# Altium PCB ai.PcbDoc (part 1 of 2)
Units mil, origin at the board's own origin, x right, y up, seen from the top; angles counter-clockwise.
Board outline 4965.93 x 2367.42 mil, 2 copper layers (Top Layer, Bottom Layer); 124 components, 111 nets, 499 pads, 173 vias.
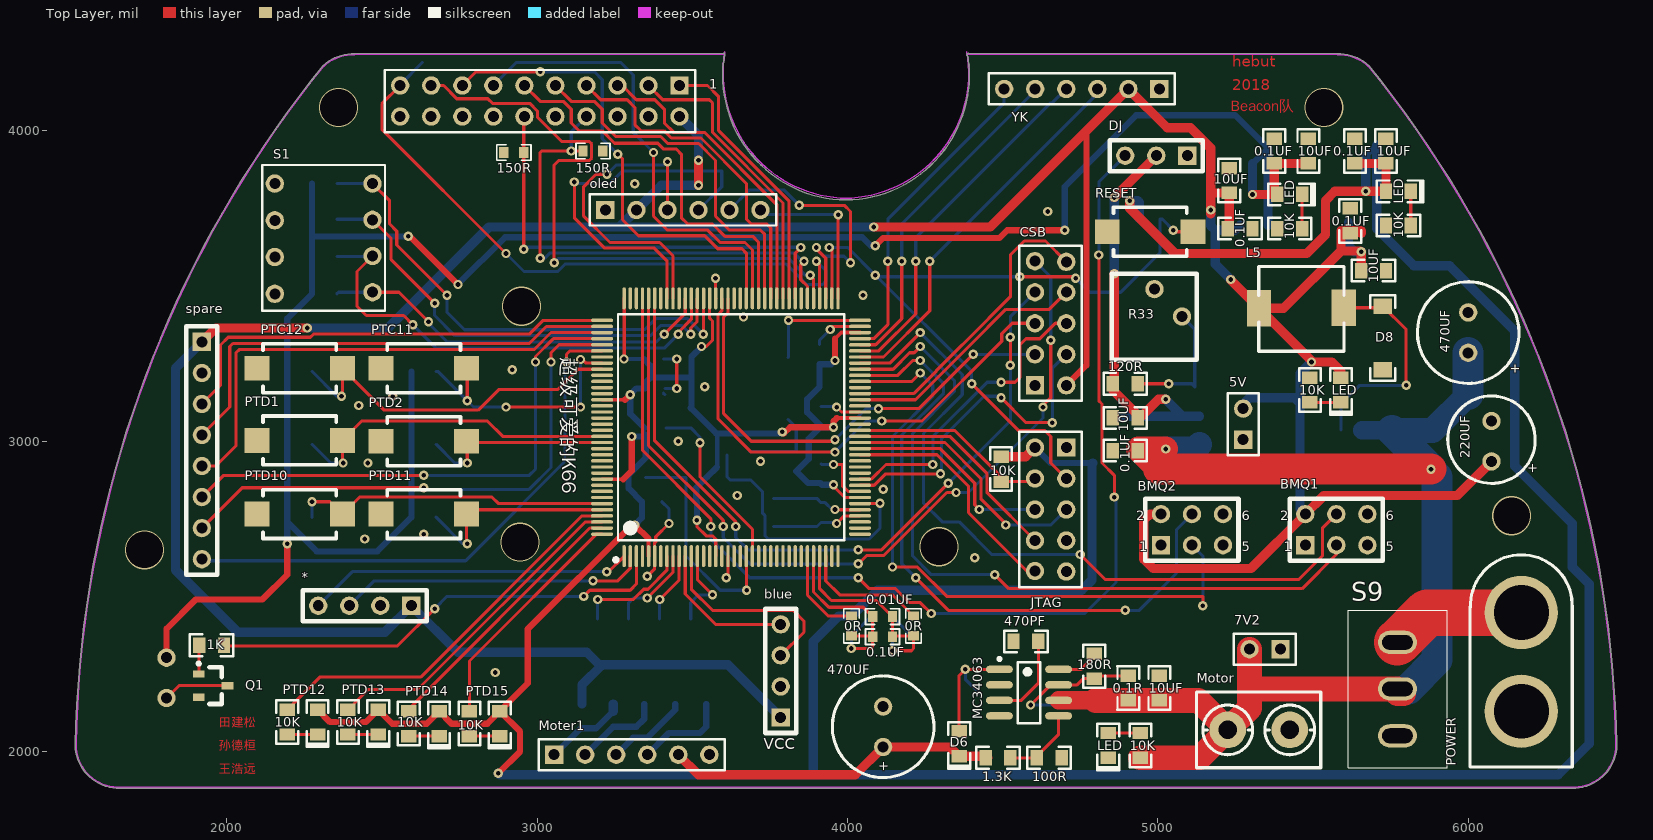
[diagram p0: Top Layer view]
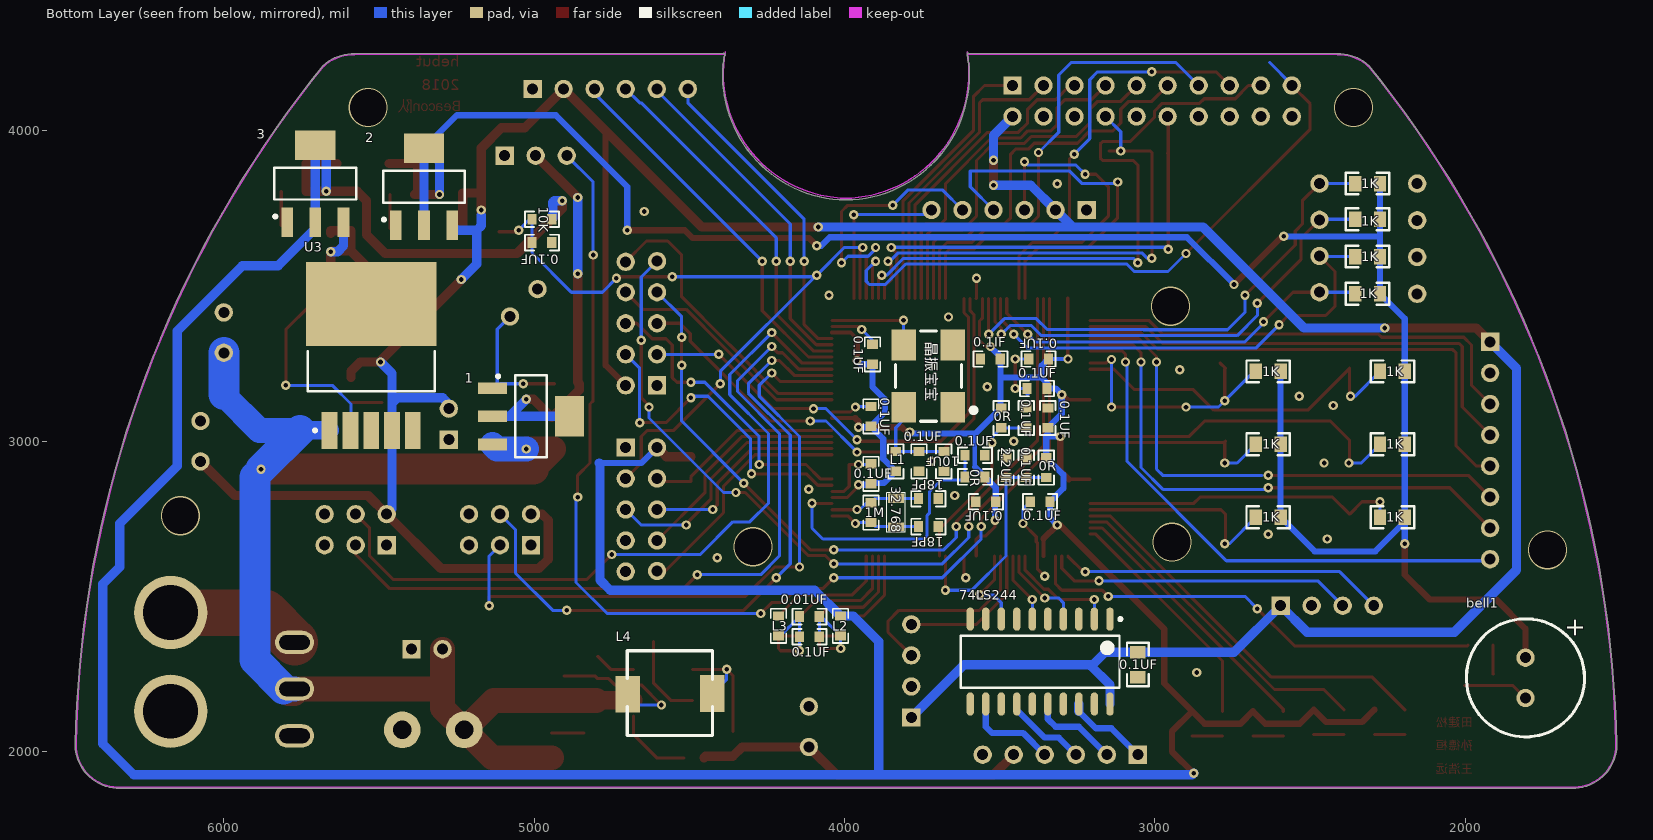
[diagram p1: Bottom Layer view, seen from below]

## Layer stack, top to bottom
Top Layer: signal copper 1.4
Dielectric: dielectric 12.6, FR-4, Dk 4.8
Bottom Layer: signal copper 1.4

## Board outline
1644.64,1882.51 1644.97,1882.51 ccw(c1652.53,2022.48) 1660.09,1882.51 3995.32,1882.48 6330.54,1882.51 ccw(c6338.1,2022.48) 6345.66,1882.51 6346,1882.51 ccw(c6346,1885.02) 6346.48,1882.55 ccw(c6338.1,2022.48) 6478.28,2021.92 ccw(c6475.77,2021.93) 6478.28,2021.93 ccw(c6475.77,2021.93) 6478.28,2021.97 ccw(c2903.04,1956.99) 5680.03,4209.74 ccw(c5677.81,4208.56) 5679.52,4210.41 ccw(c5583.46,4106.03) 5679.28,4210.62 ccw(c5583.46,4106.03) 5589.23,4247.77 ccw(c5589.08,4245.26) 5589.13,4247.77 ccw(c5589.08,4245.26) 5589.08,4247.77 5589.13,4247.77 ccw(c5583.46,4106.03) 5578.14,4247.78 4390.5,4249.24 ccw(c4389.02,4247.21) 4389.02,4249.72 ccw(c4389.02,4247.21) 4386.5,4247.15 4386.5,4246.72 ccw(c4389.02,4246.72) 4386.72,4245.69 cw(c3990.68,4178.89) 4392.32,4178.89 cw(c3990.68,4178.89) 3995.32,3777.28 ccw(c3999.95,4178.89) 3995.35,3777.28 3995.32,3777.28 cw(c3999.95,4178.89) 3603.91,4245.69 ccw(c3601.62,4246.72) 3604.13,4246.72 3604.13,4247.21 ccw(c3601.62,4247.21) 3601.62,4249.72 ccw(c3601.62,4247.21) 3600.13,4249.24 2412.49,4247.78 ccw(c2407.18,4106.03) 2401.5,4247.77 ccw(c2407.18,4106.03) 2401.4,4247.77 cw(c2401.55,4245.26) 2401.5,4247.77 cw(c2401.55,4245.26) 2401.55,4247.77 2401.4,4247.77 ccw(c2407.18,4106.03) 2311.35,4210.62 ccw(c2407.18,4106.03) 2311.11,4210.41 ccw(c2312.82,4208.56) 2310.6,4209.74 ccw(c5087.59,1956.99) 1512.35,2021.97 ccw(c1514.86,2021.93) 1512.35,2021.92 ccw(c1652.53,2022.48) 1644.16,1882.55 ccw(c1644.64,1885.02)

## Design rules (kind name [scope] priority, off if disabled: settings)
Clearance [All] p1: gap=8
ComponentClearance [All] p1: gap=0 collisioncheckmode=3 verticalgap=0 showdistances=FALSE
PolygonConnect [All] p1: connectstyle=Relief reliefconductorwidth=10 reliefentries=4 polygonreliefangle="90 Angle" airgapwidth=10
RoutingVias [All] p1: holewidth=15 width=30 viastyle="Through Hole" minholewidth=12 minwidth=24 maxholewidth=28 maxwidth=50
SolderMaskExpansion [All] p1: expansion=4
Width [All] p1: maxlimit=200 minlimit=10 preferedwidth=10 minimp=50.000000 maximp=50.000000 favimp=50.000000
27 further rules are at their usual default settings.

## Classes and differential pairs
component class ai: 1 2 3 * *1 *2 *3 bell1 BMQ1 BMQ2 C24 C29 C30 CON2 D1 D2 D3 D4 D5 D6 D7 D8 L1 L2 L3 L4 L5 Moter1 Q1 R33 S1 S2 S3 S4 S5 S6 S7 S8 S9 spare U1 U2 U3 Y1

## Components (designator, comment, footprint, x,y, rotation, side; value= is the part's Value field where it differs from the comment)
0.1IF "Cap" 0603 3530,3265 r0 bottom (schematic designator C6)
0.1R "0.22R" 0805 4905,2205 r270 top (schematic designator R27)
0.1UF "Cap" 0805 5620,3710 r270 top (schematic designator C37)
0.1UF "Cap" 0805 5265,3685 r180 top (schematic designator C34)
0.1UF "Cap Pol1" 0805 5635,3935 r90 top (schematic designator C32)
0.1UF "Cap Pol1" 0805 5375,3935 r90 top (schematic designator C31)
0.1UF "Cap" 0805 4895,2970 r0 top (schematic designator C28)
0.1UF "Cap" 0603 3910,3280 r90 bottom (schematic designator C23)
0.1UF "Cap" 0603 3375,3265 r0 bottom (schematic designator C22)
0.1UF "Cap" 0603 3380,3170 r0 bottom (schematic designator C21)
0.1UF "0.1uF" 0805 3055,2280 r90 bottom (schematic designator C20)
0.1UF "Cap" 0603 4975,3640 r0 bottom (schematic designator C19)
0.1UF "Cap" 0603 3915,3080 r90 bottom (schematic designator C18)
0.1UF "Cap" 0603 3580,2955 r0 bottom (schematic designator C15)
0.01UF "Cap" 0603 4113,2435 r180 bottom (schematic designator C14)
0.01UF "Cap" 0603 4113,2435 r180 top (schematic designator C13)
0.1UF "Cap" 0603 4113,2370 r180 bottom (schematic designator C12)
0.1UF "Cap" 0603 4113,2370 r180 top (schematic designator C11)
0.1UF "Cap" 0603 3915,2895 r90 bottom (schematic designator C10)
0.1UF "Cap" 0603 3415,2915 r270 bottom (schematic designator C9)
0.1UF "Cap" 0603 3415,3075 r270 bottom (schematic designator C8)
0.1UF "Cap" 0603 3545,2805 r180 bottom (schematic designator C5)
0.1UF "Cap" 0603 3370,2805 r180 bottom (schematic designator C4)
0.1UF "Cap" 0603 3345,3075 r90 bottom (schematic designator C3)
0.1UF "Cap" 0603 3760,2935 r90 bottom (schematic designator C2)
0R "Res2" 0603 4213,2405 r90 top (schematic designator R21)
0R "Res2" 0603 3580,2885 r0 bottom (schematic designator R19)
0R "Res2" 0603 4013,2405 r90 top (schematic designator R17)
0R "Res2" 0603 3495,3075 r270 bottom (schematic designator R14)
0R "Res2" 0603 3350,2915 r270 bottom (schematic designator R12)
1 "AMS1117-adj" lm1117-5v 5005,3085 r180 bottom
1.3K "1.3K" 0805 4485,1980 r180 top (schematic designator R29)
1K "Res2" 0805 1951.26,2342.6 r180 top (schematic designator R24)
1K "Res2" 0805 2635,3225 r180 bottom (schematic designator R11)
1K "Res2" 0805 2635,2990 r180 bottom (schematic designator R10)
1K "Res2" 0805 2635,2755 r180 bottom (schematic designator R9)
1K "Res2" 0805 2235,3225 r180 bottom (schematic designator R8)
1K "Res2" 0805 2235,2990 r180 bottom (schematic designator R7)
1K "Res2" 0805 2235,2755 r180 bottom (schematic designator R6)
1K "Res2" 0805 2315,3475 r0 bottom (schematic designator R4)
1K "Res2" 0805 2315,3595 r180 bottom (schematic designator R3)
1K "Res2" 0805 2315,3715 r180 bottom (schematic designator R2)
1K "Res2" 0805 2315,3830 r180 bottom (schematic designator R1)
1M "Res2" 0603 3915,2770 r270 bottom (schematic designator R22)
2 "AMS1117-3.3" lm1117-5v 5360,3825 r90 bottom
2.2UF "Cap" 0603 3480,2915 r270 bottom (schematic designator C7)
3 "AMS1117-3.3" lm1117-5v 5710,3835 r90 bottom
5V "H1" HDR1X2 5255,3025 r90 top (schematic designator DY2)
7V2 "H1" HDR1X2 5375,2310 r180 top (schematic designator DY1)
10K "Res2" 0805 5490,3165 r90 top (schematic designator R35)
10K "Res2" 0805 5425,3685 r180 top (schematic designator R34)
10K "Res2" 0805 4944,2020 r270 top (schematic designator R31)
10K "Res2" 0603 4975,3715 r0 bottom (schematic designator R25)
10K "Res2" 0805 2782.14,2090 r90 top (schematic designator R20)
10K "Res2" 0805 2586.43,2090 r90 top (schematic designator R18)
10K "Res2" 0805 2390.71,2095 r90 top (schematic designator R16)
10K "Res2" 0805 2195,2095 r90 top (schematic designator R15)
10K "Res2" 0805 5775,3695 r180 top (schematic designator R13)
10K "Res2" 0805 4495,2910 r90 top (schematic designator R5)
10UF "Cap" 0805 5735,3935 r270 top (schematic designator C38)
10UF "Cap" 0805 5695,3550 r180 top (schematic designator C36)
10UF "Cap" 0805 5485,3935 r270 top (schematic designator C35)
10UF "Cap" 0805 5230,3840 r270 top (schematic designator C33)
10UF "Cap" 0805 4895,3075 r0 top (schematic designator C27)
10UF "10uF" 0805 5005,2205 r90 top (schematic designator C26)
10UF "Cap" 0603 3680,2935 r90 bottom (schematic designator C1)
18PF "Cap" 0603 3730,2815 r0 bottom (schematic designator C17)
18PF "Cap" 0603 3730,2725 r0 bottom (schematic designator C16)
32.768 "XTAL" 32.768 3820,2825 r90 bottom (schematic designator Y1)
74LS244 "74LS244" 74ls244DA 3340,2370 r270 bottom (schematic designator U1)
100R "100R" 0805 4650,1980 r0 top (schematic designator R30)
120R "Res2" 0805 4895,3185 r180 top (schematic designator R32)
150R "Res2" 0603 2925,3930 r0 top (schematic designator R26)
150R "Res2" 0603 3180,3935 r0 top (schematic designator R23)
180R "180R" 0805 4795,2275 r270 top (schematic designator R28)
220UF "Cap Pol1" 220uf 6035,3025 r90 top (schematic designator C30)
470PF "470pF" 0805 4575,2355 r180 top (schematic designator C25)
470UF "Cap Pol1" 470uf 6015,3365 r90 top (schematic designator C29)
470UF "470uF" 470UF 4130,2095 r90 top (schematic designator C24)
* "6050" HDR1X4 2465,2450 r180 top
*1 "SXT" SXT 2960,4100 r180 top
bell1 "Bell" bezzer 1796.26,2342.6 r270 bottom
blue "blueteeth2" HDR1X4 3765,2240 r90 top (schematic designator blue?)
BMQ1 "encode_1" HDR2X3 5665,2690 r0 top
BMQ2 "encode_2" HDR2X3 5200,2690 r0 top
CSB "JTAG" HDR2X5 4614,3355 r90 top (schematic designator *8)
D6 "IN5819" 0805LED 4360,2025 r270 top
D8 "IN5824" 1N5824 5570,3395 r270 top
DJ "DJ" HDR1X3 4985,3900 r180 top (schematic designator *7)
JTAG "JTAG" HDR2X5 4695,2805 r270 top (schematic designator *4)
L1 "Inductor" 0603 3835,2935 r90 bottom
L2 "Inductor" 0603 4013,2405 r270 bottom
L3 "Inductor" 0603 4213,2405 r270 bottom
L4 "330uH" diangan 4400,2265 r180 bottom
L5 "Inductor" diangan 5300,3350 r180 top
LED "LED0" 0805LED 5590,3165 r270 top (schematic designator D10)
LED "LED0" 0805LED 5425,3795 r0 top (schematic designator D9)
LED "RED" 0805LED 4840,2020 r270 top (schematic designator D7)
LED "LED0" 0805LED 5775,3805 r0 top (schematic designator D1)
MC34063 "MC34063" MC34063 4585,2190 r0 top (schematic designator U2)
Moter1 "Motor" HDR1X6 3055,1990 r0 top
Motor "PoweIn" KF301-2P 5325,2070 r270 top (schematic designator CON2)
oled "OLED" HDR1X6 3220,3745 r0 top (schematic designator oled1)
POWER "PowerIn" DIZUO 6160,2270 r0 top (schematic designator CON1)
PTC11 "SW-PB" BUTTON 2675,3255 r0 top (schematic designator S7)
PTC12 "SW-PB" BUTTON 2275,3255 r0 top (schematic designator S4)
PTD1 "SW-PB" BUTTON 2275,3022.5 r0 top (schematic designator S3)
PTD2 "SW-PB" BUTTON 2675,3020 r0 top (schematic designator S6)
PTD10 "SW-PB" BUTTON 2275,2785 r0 top (schematic designator S2)
PTD11 "SW-PB" BUTTON 2675,2785 r0 top (schematic designator S5)
PTD12 "LED0" 0805LED 2292.86,2095 r270 top (schematic designator D2)
PTD13 "LED0" 0805LED 2488.57,2095 r270 top (schematic designator D3)
PTD14 "LED0" 0805LED 2684.29,2090 r270 top (schematic designator D4)
PTD15 "LED0" 0805LED 2880,2090 r270 top (schematic designator D5)
Q1 "NPN9013" npn9013 1951.26,2222.6 r0 top
R33 "Res2" 1*2 5020,3435 r270 top
RESET "SW-PB" BUTTON 5015,3695 r0 top (schematic designator S8)
S1 "SW-DIP4" BMKG 1815,3765 r270 top
S9 "zk" SWITCH-MID 5650,1970 r90 top
spare "JG" HDR1X8 1960,2885 r270 top (schematic designator *9)
U3 "LM2596-5" LM2596 5515,3275 r90 bottom
YK "YK" HDR1X6 5005,4135 r180 top (schematic designator *5)
晶振宝宝 "晶振" LC-SMD-7050_4P 3730,3210 r90 bottom (schematic designator *3)
超级可爱的K66 "K66" LC-LQFP-144_20x20x05P 3625,3045 r0 top (schematic designator *2)

## Footprints (in the part's own frame and the unit in brackets; to place one, negate y for a bottom-side part, rotate by r counter-clockwise, add the part's x,y. Pads: shape width x height; smd on the part's side, far side on the other; paste and mask are expansions set on the pad)
1*2 [mm]
  round 1.5 hole 0.9: 1(-1.397,-0.787) 2(0.838,1.473)
  silkscreen extent -2.67,-4.29 4.37,2.67
1N5824 [mil]
  rect 50x60 smd: 1(-40,155) 2(165,155)
  silkscreen extent -75,115 200,195
32.768 [mil]
  rect 29.53x51.18 smd: 1(-101,14) 2(-9,14)
  silkscreen extent -119,-16 9,44
74ls244DA [mm]
  oval 1.9x0.6 smd: 1(-1.443,4.953) 2(-1.443,3.683) 3(-1.443,2.413) 4(-1.443,1.143) 5(-1.443,-0.127) 6(-1.443,-1.397) 7(-1.443,-2.667) 8(-1.443,-3.937) 9(-1.443,-5.207) 10(-1.443,-6.477) 11(5.507,-6.477) 12(5.507,-5.207) 13(5.507,-3.937) 14(5.507,-2.667) 15(5.507,-1.397) 16(5.507,-0.127) 17(5.507,1.143) 18(5.507,2.413) 19(5.507,3.683) 20(5.507,4.953)
  silkscreen extent -1.57,-7.26 4.16,5.93, body extent -0.77,-7.26 4.83,5.74, height 2.2
220uf [mm]
  round 1.5 hole 0.9: 1(-2.286,-1.016) 2(1.016,-1.016)
  silkscreen extent -4.08,-4.59 3.07,2.56
470uf [mm]
  round 1.5 hole 0.9: 1(-2.032,0.381) 2(1.27,0.381)
  silkscreen extent -4.54,-3.78 3.78,4.54
470UF [mm]
  round 1.5 hole 0.9: 1(-2.032,0.381) 2(1.27,0.381)
  silkscreen extent -4.54,-3.78 3.78,4.54
0603 [mil]
  rect 30x35 smd: 1(-32,0) 2(32,0)
  silkscreen extent -55,-25 55,25
0805 [mil]
  rect 40x50 smd: 1(-40,0) 2(40,0)
  silkscreen extent -70,-35 70,35
0805LED [mil]
  rect 40x50 smd: 1(-40,0) 2(40,0)
  silkscreen extent -70,-35 80,35
bezzer [mm]
  round 1.5 hole 0.9: 1(1.016,-0.254) 2(4.318,-0.254)
  silkscreen extent -2.16,-5.08 7.5,4.58
BMKG [mm]
  round 1.5 hole 0.9: 1(-1.651,8.636) 2(1.355,8.636) 3(4.36,8.636) 4(7.366,8.636) 5(7.239,16.637) 6(4.276,16.637) 7(1.312,16.637) 8(-1.651,16.637)
  silkscreen extent -3.18,7.62 8.76,17.65
BUTTON [mil]
  rect 80x80 smd: 1(-177.8,-20) 2(97.8,-20)
  silkscreen extent -158,-99 78,59
diangan [mil]
  rect 78.74x118.11 smd: 1(-299,-80) 2(-26,-78)
  silkscreen extent -300,-213 -25,60
DIZUO [mm]
  round 6 hole 4.5: 1(0.279,4.521) 2(0.279,-3.556)
  silkscreen extent -3.91,-8.13 4.45,9.25
HDR1X2 [mm]
  rect 1.5x1.5 hole 0.9: 1(-0.508,-0.508)
  round 1.5 hole 0.9: 2(2.032,-0.508)
  silkscreen extent -1.78,-1.78 3.3,0.76
HDR1X3 [mm]
  rect 1.5x1.5 hole 0.9: 1(-2.794,-0.508)
  round 1.5 hole 0.9: 2(-0.254,-0.508) 3(2.286,-0.508)
  silkscreen extent -4.06,-1.78 3.56,0.76
HDR1X4 [mm]
  rect 1.5x1.5 hole 0.9: 1(-3.302,-0.508)
  round 1.5 hole 0.9: 2(-0.762,-0.508) 3(1.778,-0.508) 4(4.318,-0.508)
  silkscreen extent -4.57,-1.78 5.59,0.76
HDR1X6 [mm] "Connector; Header; 6 Position"
  rect 1.5x1.5 hole 0.9: 1(0,0)
  round 1.5 hole 0.9: 2(2.54,0) 3(5.08,0) 4(7.62,0) 5(10.16,0) 6(12.7,0)
  silkscreen extent -1.27,-1.27 13.97,1.27
HDR1X8 [mm]
  rect 1.5x1.5 hole 0.9: 1(-11.049,-1.016)
  round 1.5 hole 0.9: 2(-8.509,-1.016) 3(-5.969,-1.016) 4(-3.429,-1.016) 5(-0.889,-1.016) 6(1.651,-1.016) 7(4.191,-1.016) 8(6.731,-1.016)
  silkscreen extent -12.32,-2.29 8,0.25
HDR2X3 [mm]
  rect 1.5x1.5 hole 0.9: 1(-4.826,-0.635)
  round 1.5 hole 0.9: 2(-4.826,1.905) 3(-2.286,-0.635) 4(-2.286,1.905) 5(0.254,-0.635) 6(0.254,1.905)
  silkscreen extent -6.1,-1.91 1.52,3.17
HDR2X5 [mm]
  rect 1.5x1.5 hole 0.9: 1(-4.445,0.254)
  round 1.5 hole 0.9: 2(-1.905,0.254) 3(0.635,0.254) 4(3.175,0.254) 5(5.715,0.254) 6(5.664,-2.311) 7(3.175,-2.311) 8(0.635,-2.311) 9(-1.905,-2.311) 10(-4.445,-2.311)
  silkscreen extent -5.71,-3.58 6.98,1.52
KF301-2P [mm]
  round 3 hole 1.5: 1(0,-2.54) 2(0,2.54)
  silkscreen extent -3.1,-5.08 3.1,5.08
LC-LQFP-144_20x20x05P [mm]
  oval 0.28x1.8 smd mask+0.051: 1(-8.75,-10.55) 2(-8.25,-10.55) 3(-7.75,-10.55) 4(-7.25,-10.55) 5(-6.75,-10.55) 6(-6.25,-10.55) 7(-5.75,-10.55) 8(-5.25,-10.55) 9(-4.75,-10.55) 10(-4.25,-10.55) 11(-3.75,-10.55) 12(-3.25,-10.55) 13(-2.75,-10.55) 14(-2.25,-10.55) 15(-1.75,-10.55) 16(-1.25,-10.55) 17(-0.75,-10.55) 18(-0.25,-10.55) 19(0.25,-10.55) 20(0.75,-10.55) 21(1.25,-10.55) 22(1.75,-10.55) 23(2.25,-10.55) 24(2.75,-10.55) 25(3.25,-10.55) 26(3.75,-10.55) 27(4.25,-10.55) 28(4.75,-10.55) 29(5.25,-10.55) 30(5.75,-10.55) 31(6.25,-10.55) 32(6.75,-10.55) 33(7.25,-10.55) 34(7.75,-10.55) 35(8.25,-10.55) 36(8.75,-10.55) 73(8.75,10.55) 74(8.25,10.55) 75(7.75,10.55) 76(7.25,10.55) 77(6.75,10.55) 78(6.25,10.55) 79(5.75,10.55) 80(5.25,10.55) 81(4.75,10.55) 82(4.25,10.55) 83(3.75,10.55) 84(3.25,10.55) 85(2.75,10.55) 86(2.25,10.55) 87(1.75,10.55) 88(1.25,10.55) 89(0.75,10.55) 90(0.25,10.55) 91(-0.25,10.55) 92(-0.75,10.55) 93(-1.25,10.55) 94(-1.75,10.55) 95(-2.25,10.55) 96(-2.75,10.55) 97(-3.25,10.55) 98(-3.75,10.55) 99(-4.25,10.55) 100(-4.75,10.55) 101(-5.25,10.55) 102(-5.75,10.55) 103(-6.25,10.55) 104(-6.75,10.55) 105(-7.25,10.55) 106(-7.75,10.55) 107(-8.25,10.55) 108(-8.75,10.55)
  oval 1.8x0.28 smd mask+0.051: 37(10.55,-8.75) 38(10.55,-8.25) 39(10.55,-7.75) 40(10.55,-7.25) 41(10.55,-6.75) 42(10.55,-6.25) 43(10.55,-5.75) 44(10.55,-5.25) 45(10.55,-4.75) 46(10.55,-4.25) 47(10.55,-3.75) 48(10.55,-3.25) 49(10.55,-2.75) 50(10.55,-2.25) 51(10.55,-1.75) 52(10.55,-1.25) 53(10.55,-0.75) 54(10.55,-0.25) 55(10.55,0.25) 56(10.55,0.75) 57(10.55,1.25) 58(10.55,1.75) 59(10.55,2.25) 60(10.55,2.75) 61(10.55,3.25) 62(10.55,3.75) 63(10.55,4.25) 64(10.55,4.75) 65(10.55,5.25) 66(10.55,5.75) 67(10.55,6.25) 68(10.55,6.75) 69(10.55,7.25) 70(10.55,7.75) 71(10.55,8.25) 72(10.55,8.75) 109(-10.55,8.75) 110(-10.55,8.25) 111(-10.55,7.75) 112(-10.55,7.25) 113(-10.55,6.75) 114(-10.55,6.25) 115(-10.55,5.75) 116(-10.55,5.25) 117(-10.55,4.75) 118(-10.55,4.25) 119(-10.55,3.75) 120(-10.55,3.25) 121(-10.55,2.75) 122(-10.55,2.25) 123(-10.55,1.75) 124(-10.55,1.25) 125(-10.55,0.75) 126(-10.55,0.25) 127(-10.55,-0.25) 128(-10.55,-0.75) 129(-10.55,-1.25) 130(-10.55,-1.75) 131(-10.55,-2.25) 132(-10.55,-2.75) 133(-10.55,-3.25) 134(-10.55,-3.75) 135(-10.55,-4.25) 136(-10.55,-4.75) 137(-10.55,-5.25) 138(-10.55,-5.75) 139(-10.55,-6.25) 140(-10.55,-6.75) 141(-10.55,-7.25) 142(-10.55,-7.75) 143(-10.55,-8.25) 144(-10.55,-8.75)
  silkscreen extent -9.57,-11 9.25,9.25
LC-SMD-7050_4P [mm]
  rect 2.5x2 smd: 1(-2.54,-2) 2(2.54,-2) 3(2.54,2) 4(-2.54,2)
  silkscreen extent -3.7,-3.9 3.7,2.7
lm1117-5v [mm]
  rect 2.4x0.95 smd: 1(-3.277,2.173) 2(-3.277,-0.127) 3(-3.277,-2.427)
  rect 2.4x3.3 smd: 2(3.023,-0.127)
  silkscreen extent -2.95,-3.48 1.17,3.28, body extent -1.63,-3.48 1.37,3.22, height 1.8
LM2596 [mm]
  rect 3.05x1.3 smd: 1(-6.1,3.654) 2(-6.1,1.954) 3(-6.1,0.254) 4(-6.1,-1.446) 5(-6.1,-3.146)
  rect 6.9x10.65 smd: 6(4.25,0.254)
  silkscreen extent -6.22,-4.95 0.4,5.45
MC34063 [mm] "SOIC, 8-Leads, Body 4.90x3.90mm, Pitch 1.27mm, IPC Medium Density"
  oval 2.2x0.6 smd: 1(-2.425,1.905) 2(-2.425,0.635) 3(-2.425,-0.635) 4(-2.425,-1.905) 5(2.425,-1.905) 6(2.425,-0.635) 7(2.425,0.635) 8(2.425,1.905)
  silkscreen extent -2.55,-2.5 0.93,2.88, body extent -2,-2.5 2,2.5, height 1.5
npn9013 [mm]
  rect 0.95x0.6 smd: 1(-1.048,-1.204) 2(-1.048,0.696) 3(1.302,-0.254)
  silkscreen extent -1.17,-1.75 0.83,1.67, body extent -0.57,-1.75 0.83,1.25, height 1.1
SWITCH-MID [mm]
  oval 1.9x3.2 hole 1.2 slot 2.5 at 90 deg: 1(9.703,-3.099) 2(5.893,-3.099) ""(2.057,-3.099)
  silkscreen extent -0.56,-7.16 12.34,0.94
SXT [mm]
  rect 1.5x1.5 hole 0.9: 1(-12.675,-1.168)
  round 1.5 hole 0.9: 2(-10.135,-1.168) 3(-7.595,-1.168) 4(-5.055,-1.168) 5(-2.515,-1.168) 6(0.025,-1.168) 7(2.565,-1.168) 8(5.105,-1.168) 9(7.645,-1.168) 10(10.185,-1.168) 11(10.185,1.372) 12(7.645,1.372) 13(5.105,1.372) 14(2.565,1.372) 15(0.025,1.372) 16(-2.515,1.372) 17(-5.055,1.372) 18(-7.595,1.372) 19(-10.135,1.372) 20(-12.675,1.372)
  silkscreen extent -13.94,-2.44 11.46,2.64

## Part data
0.1IF 0.1UF 0.1UF 0.1UF 0.1UF 0.1UF 0.1UF 0.1UF 0.1UF 0.1UF 0.01UF 0.01UF 0.1UF 0.1UF 0.1UF 0.1UF 0.1UF 0.1UF 0.1UF 0.1UF 0.1UF 2.2UF 10UF 10UF 10UF 10UF 10UF 10UF 18PF 18PF: "Capacitor"
0.1R 1.3K 100R 180R: library part Res2, "Resistor"
0.1UF 0.1UF 220UF 470UF: "Polarized Capacitor (Radial)"
0.1UF 470PF: library part "Cap Semi", "Capacitor (Semiconductor SIM Model)"
0R 0R 0R 0R 0R 1K 1K 1K 1K 1K 1K 1K 1K 1K 1K 1K 1M 10K 10K 10K 10K 10K 10K 10K 10K 10K 10K 120R 150R 150R R33: "Resistor"
1 2 3: library part LT1117-3.3
10UF 470UF: library part "Cap Pol3", "Polarized Capacitor (Surface Mount)"
32.768: "Crystal Oscillator"
*1: library part 摄像头
bell1: "Electrical Bell"
blue: library part blueteeth
BMQ1 BMQ2: library part encode
D6: library part Diode, "Default Diode"
DJ: library part 舵机
L4: library part Inductor, "Inductor"
LED LED LED PTD12 PTD13 PTD14 PTD15: "Typical INFRARED GaAs LED"
LED: library part LED2, "Typical RED, GREEN, YELLOW, AMBER GaAs LED"
Motor POWER: library part "Header 2", "Header, 2-Pin"
PTC11 PTC12 PTD1 PTD2 PTD10 PTD11: "Switch"
Q1: library part 2N3904, "NPN General Purpose Amplifier"
RESET: "按键"
S1: "DIP Switch"
S9: library part SW-SPST, "Single-Pole, Single-Throw Switch"
spare: library part 激光
U3: library part LM2596
YK: library part 遥控

## Via types
v1: diameter 30, hole 15, Top Layer to Bottom Layer, 166 vias
v2: diameter 125.98, hole 118.11, Top Layer to Bottom Layer, 7 vias

## Nets (pads, with @x,y where several pads share a name; then routed paths per layer and width w, separated by ;. In a path a pad name is that pad's centre, name@x,y a point inside that pad or via, vN(x,y) a via of type N, cw(c..) or ccw(c..) an arc to the next point about the centre after c; other vN are vias at no path point)
3V3-1: 0.1IF.1 0.1UF.1@3343,3265 0.1UF.1@3345,3043 0.1UF.1@3348,3170 0.1UF.1@3910,3248 0.1UF.1@3915,2863 0.1UF.1@3915,3048 0.1UF.1@5635,3895 0.1UF.2@3338,2805 0.1UF.2@3513,2805 0R.1@3350,2947 0R.1@3495,3107 0R.1@3548,2885 3.2 10K.1@4943,3715 10K.2@4495,2950 10UF.2@5735,3895 JTAG.10 L1.1 L2.1 LED.1@5735,3805 PTD12.1 PTD13.1 PTD14.1 PTD15.1 超级可爱的K66.5 超级可爱的K66.16 超级可爱的K66.43 超级可爱的K66.56 超级可爱的K66.70 超级可爱的K66.94 超级可爱的K66.108 超级可爱的K66.122 超级可爱的K66.135 | length 15037.3
  Top Layer w10: v1(3515,2745) 3515,2725 3545,2695 3565,2695 3575.79,2684.21 超级可爱的K66.16@3575.79,2629.65 ; v1(3530,3305) 3545,3305 3565,3325 3565,3387.2 3556.1,3396.1 超级可爱的K66.94@3556.1,3460.35 ; v1(3955,2860) 3955,2855 3991.38,2818.62 超级可爱的K66.43@4040.35,2818.62
  Top Layer w12: 超级可爱的K66.135@3209.65,2877.68 3277.68,2877.68 ; 超级可爱的K66.122@3209.65,3133.58 3283.58,3133.58 ; v1(3280,3265) 3280.51,3265.51 超级可爱的K66.108@3280.51,3460.35 ; 超级可爱的K66.5@3359.25,2629.65 3359.25,2685.75 ; 3960,3330 3980.12,3350.12 超级可爱的K66.70@4040.35,3350.12 ; 3965.47,3074.53 超级可爱的K66.56@4040.35,3074.53
  Top Layer w20: PTD12.1@2292.86,2135 2332.86,2095 2448.57,2095 PTD13.1@2488.57,2135 2533.57,2090 2644.29,2090 PTD14.1@2684.29,2130 2724.29,2090 2840,2090 PTD15.1@2880,2130 ; v1(2875,1930) 2945,2000 2945,2065 PTD15.1@2880,2130 ; 3277.68,2877.68 3305,2905 v1(3305,3015) ; 3283.58,3133.58 v1(3300,3150) ; 3359.25,2685.75 v1(3315,2730) 3305,2730 2970,2395 2970,2220 PTD15.1@2880,2130 ; v1@3795,3025 3815,3045 v1(3955,3045) 3955,3064.06 3965.47,3074.53 ; 3960,3275 3960,3330
  Top Layer w30: 10K.2@4495,2950 4574,2950 JTAG.10@4604,2980 ; v1(4910,3775) 4910,3750 5055,3605 5480,3605 5540,3665 5540,3775 5570,3805 v1(5670,3805) LED.1@5735,3805 10UF.2@5735,3895 0.1UF.1@5635,3895
  Bottom Layer w12: v1(3280,3265) 0.1UF.1@3343,3265
  Bottom Layer w15: 3577,3025 3580,3022 3580,2917
  Bottom Layer w20: v1(3305,3015) 3337,3015 3345,3023 3350,3018 0R.1@3350,2947 3295,2892 3295,2848 0.1UF.2@3338,2805 3338,2753 v1(3315,2730) ; 0.1UF.1@3343,3265 3365,3243 3365,3205 ; 0.1UF.1@3345,3043 3300,3088 v1(3300,3150) 3320,3170 0.1UF.1@3348,3170 3348,3188 3365,3205 ; 0R.1@3495,3107 0R.1@3498,3104 ; 3515,2760 3515,2803 0.1UF.2@3513,2805 3513,2850 0R.1@3548,2885 3580,2917 ; v1(3530,3305) 3498,3273 0.1IF.1@3498,3265 3498,3205 ; v1@3795,3025 3577,3025 0R.1@3498,3104 ; v1(3955,2860) 3918,2860 0.1UF.1@3915,2863 3913,2865 3873,2865 L1.1@3835,2903 3875,2943 3875,3008 0.1UF.1@3915,3048 ; v1(3955,3045) 3918,3045 0.1UF.1@3915,3048 ; v1(3960,3260) 3948,3248 0.1UF.1@3910,3248 3910,3175 3870,3135 3870,3093 0.1UF.1@3915,3048 ; JTAG.10@4604,2980 4654,2930 4790,2930 ; 3.2@5670,3919.02 3.2@5705,3954.02 ; 3365,3205 3365.5,3205.5 3434.46,3205.5 3434.96,3205 3498,3205 ; 0R.1@3498,3104 3498,3205
  Bottom Layer w30: v1(2875,1930) 2880,1925 3890,1925 ; 4790,2930 4788,2928 4788,2553 4755,2520 4096,2520 L2.1@4013,2437 3972,2437 3890,2355 3890,1925 ; v1(4910,3775) 4935,3775 4940,3770 10K.1@4940,3718 ; v1(5670,3805) 3.2@5670,3919.02 ; 3.2@5705,3954.02 3.2@5705,3705.98 5705,3685 5825,3565 5940,3565 6150,3355 6150,2920 6335,2735 6335,2595 6390,2540 6390,2025 6290,1925 3890,1925
  other v1: 3790,3030
3V3-3: 0.1UF.1@5375,3895 1K.1@2275,3475 1K.2@2195,2755 1K.2@2195,2990 1K.2@2195,3225 1K.2@2275,3595 1K.2@2275,3715 1K.2@2275,3830 1K.2@2595,2755 1K.2@2595,2990 1K.2@2595,3225 2.2 10UF.2@5485,3895 bell1.1 LED.1@5385,3795 | length 7013.5
  Top Layer w20: bell1.1@1806.26,2302.6 1806.26,2396.26 1900,2490 2115,2490 2195,2570 v1(2195,2670) ; v1(2585,3660) 2590,3660 v1(2745,3505) ; v1(4090,3630) 4115,3655 4490,3655 4515,3680 v1(4700,3680) ; 0.1UF.1@5375,3884.67 0.1UF.1@5385.33,3895
  Top Layer w30: v1(5305,3795) LED.1@5385,3795 5375,3805 0.1UF.1@5375,3884.67 ; 0.1UF.1@5385.33,3895 10UF.2@5467,3895
  Bottom Layer w20: v1@2195,2665 v1(2195,2670) 1K.2@2195,2740 ; 1K.2@2275,3830 1K.2@2275,3715 2275,3660 ; v1(2585,3660) 2275,3660 ; 1K.2@2595,3225 1K.2@2595,2990 1K.2@2595,2755 2485,2645 2290,2645 1K.2@2195,2740 ; v1(2745,3505) 2897,3657 4048,3657 4075,3630 v1(4090,3630) ; v1(4700,3680) 4700,3820 4930,4050 5249.02,4050 2.2@5355,3944.02 5305,3894.02 ; 1K.2@2195,2740 1K.2@2195,2755 1K.2@2195,2990 1K.2@2195,3225 2195,3395 1K.1@2275,3475 1K.2@2275,3595 2275,3660
  Bottom Layer w30: v1(5305,3795) 5305,3894.02 ; 2.2@5355,3695.98 2.2@5355,3944.02
5V: 0.1UF.2@3055,2320 0.1UF.2@5225,3685 0.1UF.2@5620,3670 2.3 3.3 5V.2 10UF.2@5230,3800 10UF.2@5655,3550 74LS244.20 220UF.1 *1.20 *.1 blue.1 BMQ1.2 BMQ2.2 CSB.10 L5.2 LED.1@5590,3205 oled.2 spare.1 U3.4 YK.2 | length 12344.6
  Top Layer w20: CSB.10@4705,3180 4770,3245 4770,4000
  Top Layer w30: spare.1@1920,3320 1965,3365 v1(2260,3365) ; v1(3520,3825) v1(3520,3905) ; v1(4085,3690) 4460,3690 4770,4000 YK.2@4905,4135 5030,4010 5105,4010 5170,3945 5170,3790 ; BMQ2.2@5010,2765 4975,2765 4955,2745 4955,2620 4985,2590 5300,2590 BMQ1.2@5475,2765 5535,2825 5965,2825 220UF.1@6075,2935 ; v1@5170,3733 v1(5170,3745) 5170,3790 ; 0.1UF.2@5225,3685 5230,3690 10UF.2@5230,3800 5180,3800 5170,3790 ; v1(5235,3521) 5234,3520 L5.2@5326,3428 ; LED.1@5590,3205 5590,3225 5560,3255 v1(5495,3255) 5495,3259 L5.2@5326,3428 ; 5655,3670 5655,3678 5590,3678 5590,3613 ; 10UF.2@5660,3550 5655,3555 v1(5655,3610) 5652,3613 5590,3613 ; L5.2@5326,3428 5405,3428 5590,3613
  Bottom Layer w30: spare.1@1920,3320 1835,3235 1835,2585 2035,2385 2510,2385 *.1@2595,2470 2745,2320 0.1UF.2@3055,2320 3160,2320 3205,2275 ; v1(2260,3365) 2520,3365 2845,3690 3265,3690 ; 74LS244.20@3145,2153.19 3145,2215 3210,2280 3615,2280 blue.1@3785,2110 ; *1.20@3459,4046 3520,3985 v1(3520,3905) ; v1(3520,3825) 3400,3825 oled.2@3320,3745 3265,3690 ; v1(4085,3690) 3265,3690 ; 5170,3726.97 5170,3695 5185,3680 ; v1(5235,3521) 5185,3571 5185,3680 ; 2.3@5264.45,3695.98 5248.46,3680 5185,3680 ; 5V.2@5275,3105 5275,3120 5295,3140 5440,3140 5458.07,3121.93 ; BMQ1.2@5475,2765 5458.07,2781.93 U3.4@5458.07,3034.84 5458.07,3121.93 ; v1(5495,3255) 5458.07,3218.07 5458.07,3121.93 ; 3.3@5614.45,3705.98 5614.45,3629.45 5633.9,3610 v1(5655,3610)
6V: 1.2 10UF.2@4935,3075 120R.2 DJ.2 | length 1369.7
  Top Layer w30: v1(4860,3540) 4860,3190 120R.2@4855,3185 4855,3165 4943.5,3076.5 5002,3135 v1(5025,3135) ; v1(4860,3785) DJ.2@4995,3920
  Bottom Layer w30: v1(4860,3540) v1(4860,3785) ; 1.2@4885.98,3080 5080,3080 ; v1(5025,3135) 5080,3080 ; 1.2@5134.02,3080 5080,3080
7V2: 0.1R.2 0.1UF.2@4935,2970 1.3 7V2.2 10K.2@4944,1980 10UF.1@5005,2165 470UF.1@6000,3285 MC34063.6 Motor.1 S9.2 U3.1 | length 4322.6
  Top Layer w60: MC34063.6@4680.47,2165 4800,2165
  Top Layer w80: 4800,2165 5130,2165 Motor.1@5225,2070 ; 10K.2@4944,1980 5135,1980 Motor.1@5225,2070 ; 5002,2910 4937,2975 v1(5025,2975) ; 7V2.2@5295,2330 5295,2190 ; S9.2@5772,2187 S9.2@5792,2187 ; S9.2@5772,2202 5307,2202 5295,2190 ; Motor.1@5225,2070 5295,2140 5295,2190
  Top Layer w100: 5002,2910 v1(5880,2910)
  Bottom Layer w60: U3.1@5658.86,3034.84 5755.16,3034.84
  Bottom Layer w80: v1(5025,2975) 5119.57,2975 1.3@5134.02,2989.45 ; 5755.16,3034.84 5884.84,3034.84 6000,3150 ; S9.2@5772,2202 S9.2@5807,2202
  Bottom Layer w100: 5755.16,3034.84 v1(5880,2910) ; S9.2@5807,2202 5900,2295 5900,2884.68 ; 6000,3150 470UF.1@6000,3285
12V: 1.3K.2 470UF.1@4115,2015 D6.2 Moter1.5 | length 1076.7
  Top Layer w30: Moter1.5@3455,1990 3520,1925 4025,1925 470UF.1@4115,2015 4330,2015 D6.2@4360,1985 4448,1985 1.3K.2@4453,1980
CLKOUT: 晶振宝宝.3 超级可爱的K66.72 | length 351.1
  Top Layer w10: v1(3810,3390) 3810.51,3389.49 超级可爱的K66.72@4040.35,3389.49
  Bottom Layer w10: 晶振宝宝.3@3808.74,3270 3810,3271.26 v1(3810,3390)
EXTAL33: 1M.1 18PF.2@3762,2815 32.768.2 超级可爱的K66.41 | length 272.9
  Top Layer w10: 3975.75,2779.25 超级可爱的K66.41@4040.35,2779.25
  Bottom Layer w10: 18PF.2@3762,2815 3833,2815 32.768.2@3834,2816 3901,2816 1M.1@3915,2802 3928,2802 v1@3950,2780
  Bottom Layer w20: v1@3960,2775 v1(3960,2780)